# Altium PCB Prog.PcbDoc
Units mil, origin at the board's own origin, x right, y up, seen from the top; angles counter-clockwise.
Board outline 3897.64 x 3897.64 mil, 2 copper layers (Top Layer, Bottom Layer); 90 components, 64 nets, 289 pads, 267 vias.
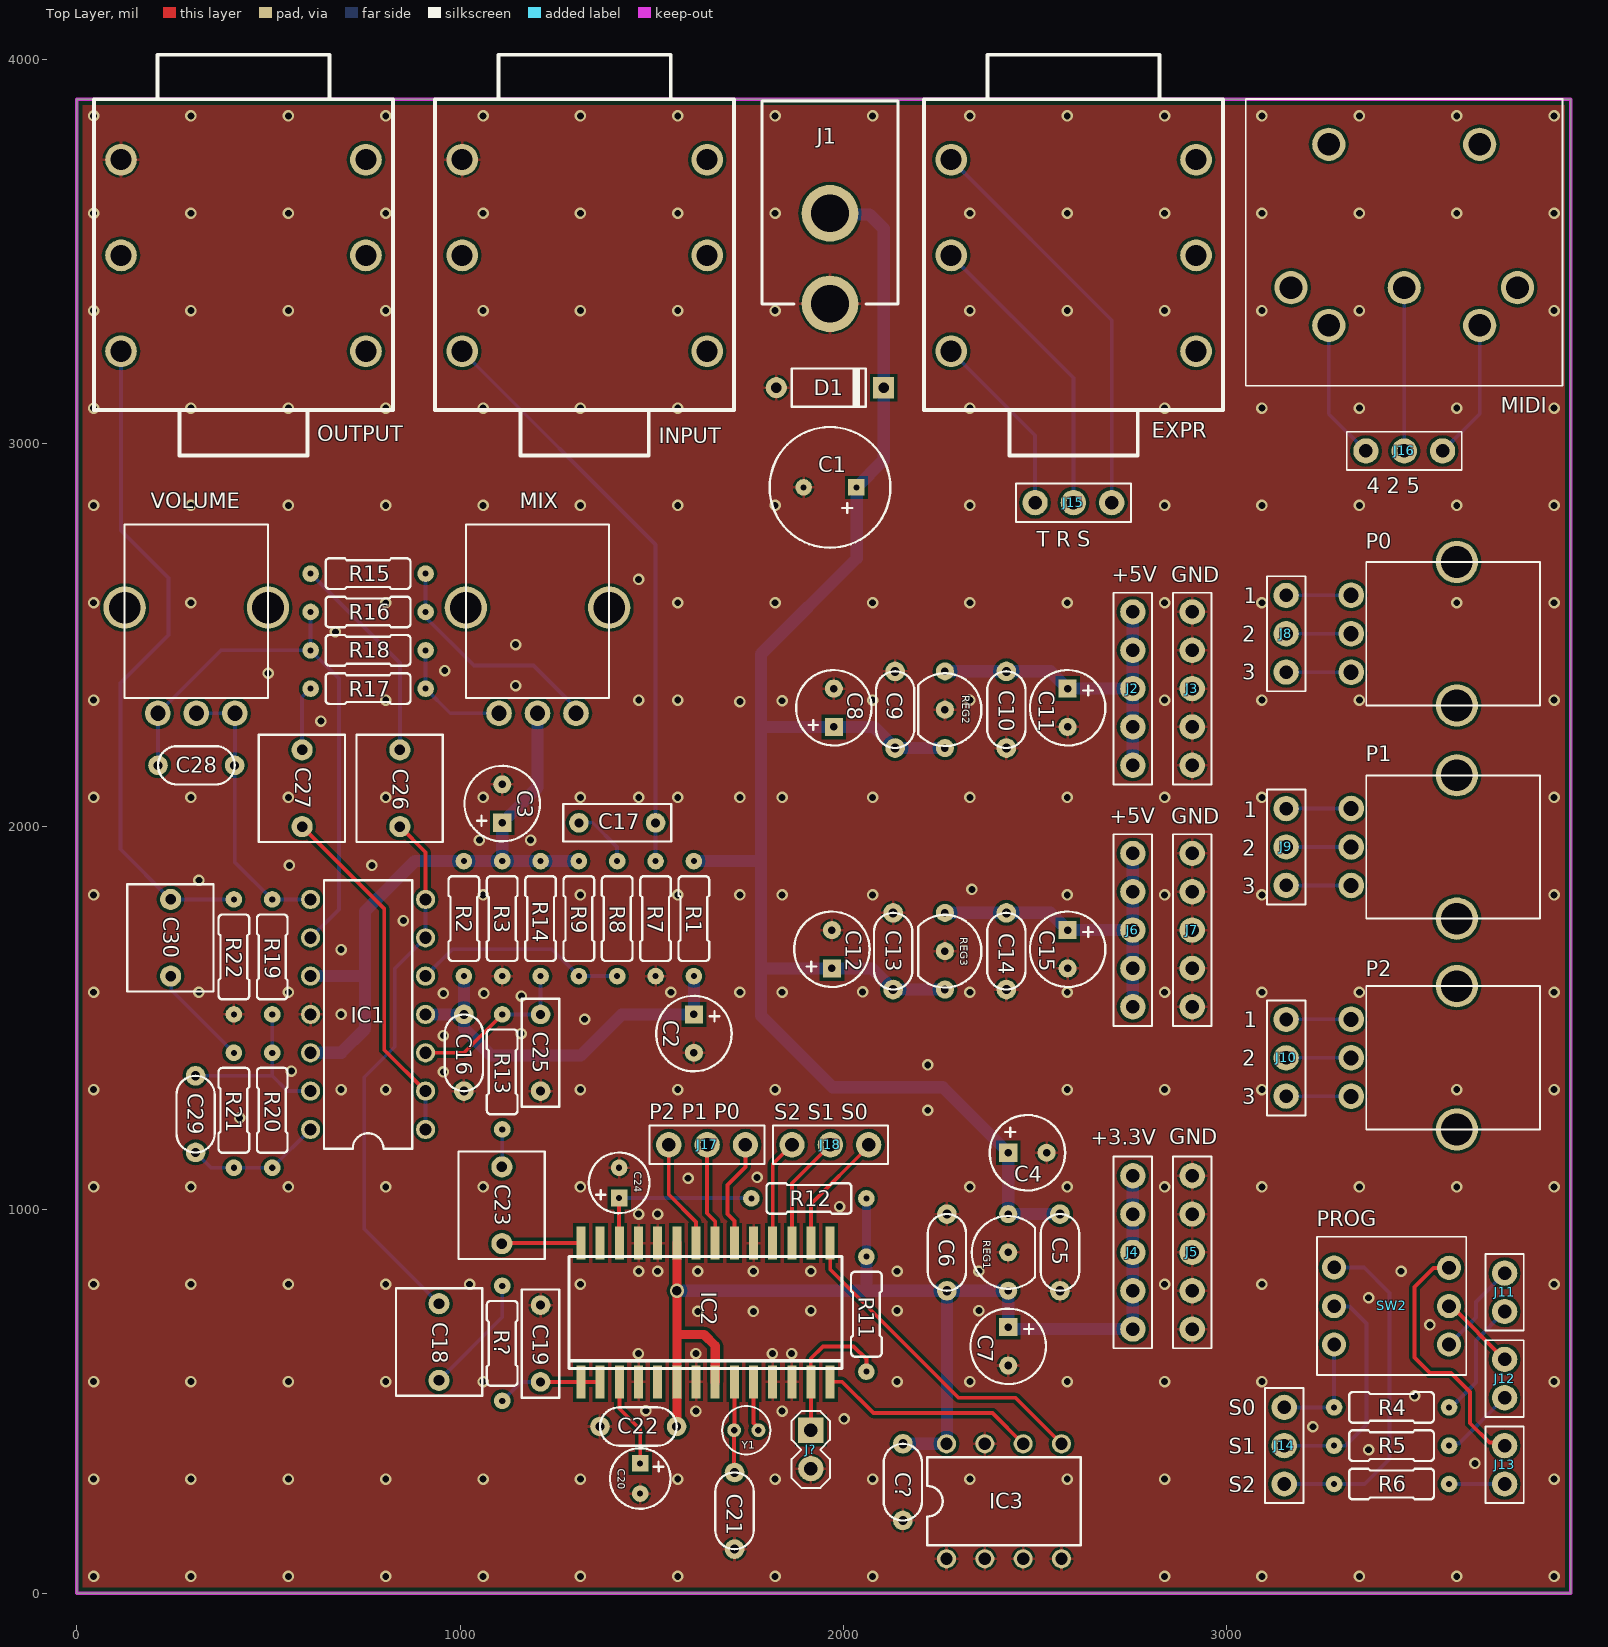
[diagram p0: Top Layer view]
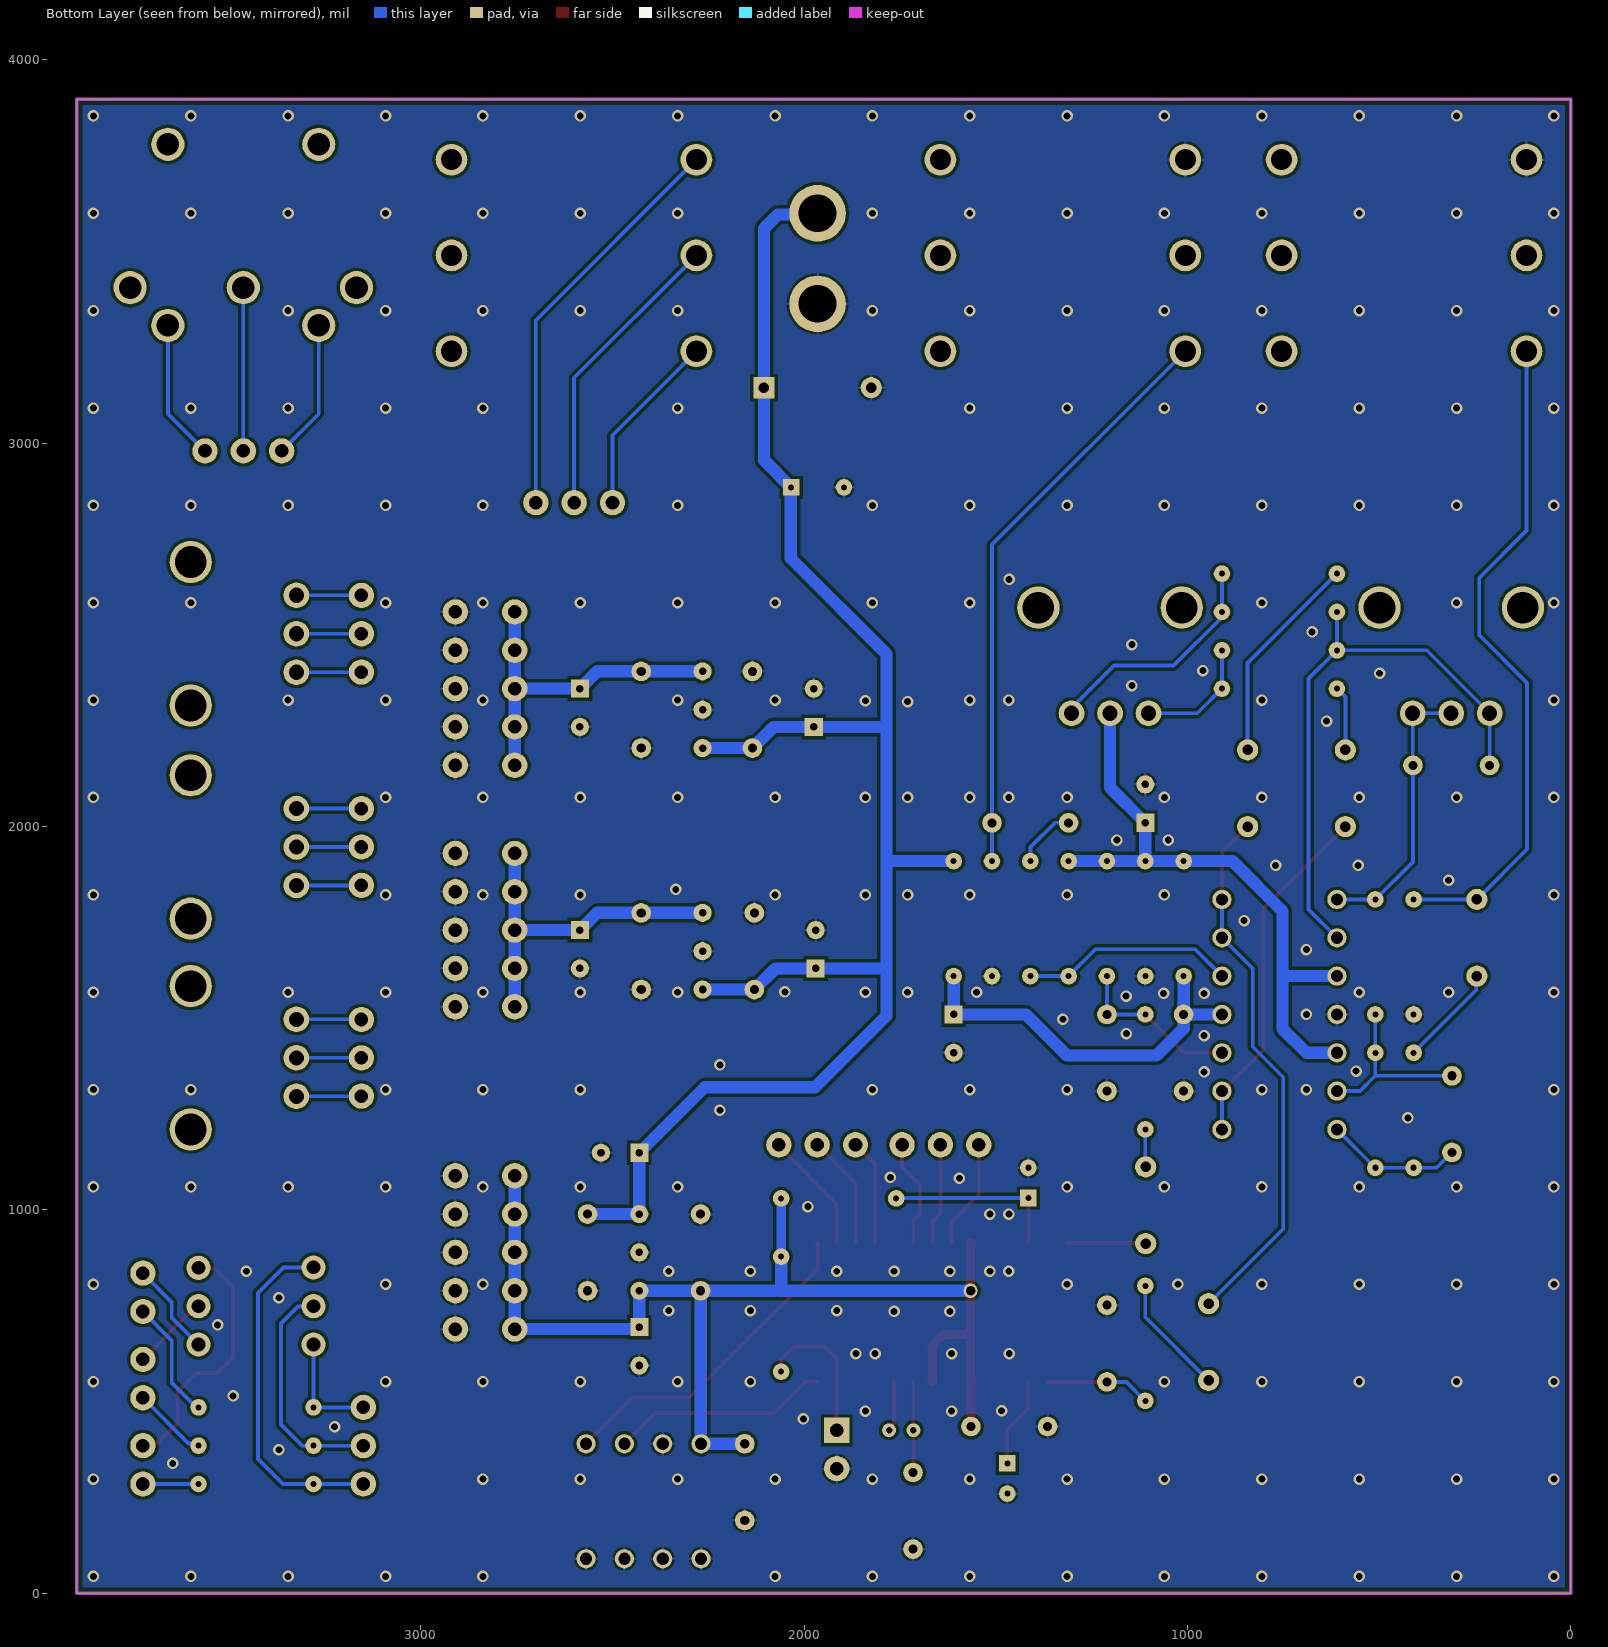
[diagram p1: Bottom Layer view, seen from below]
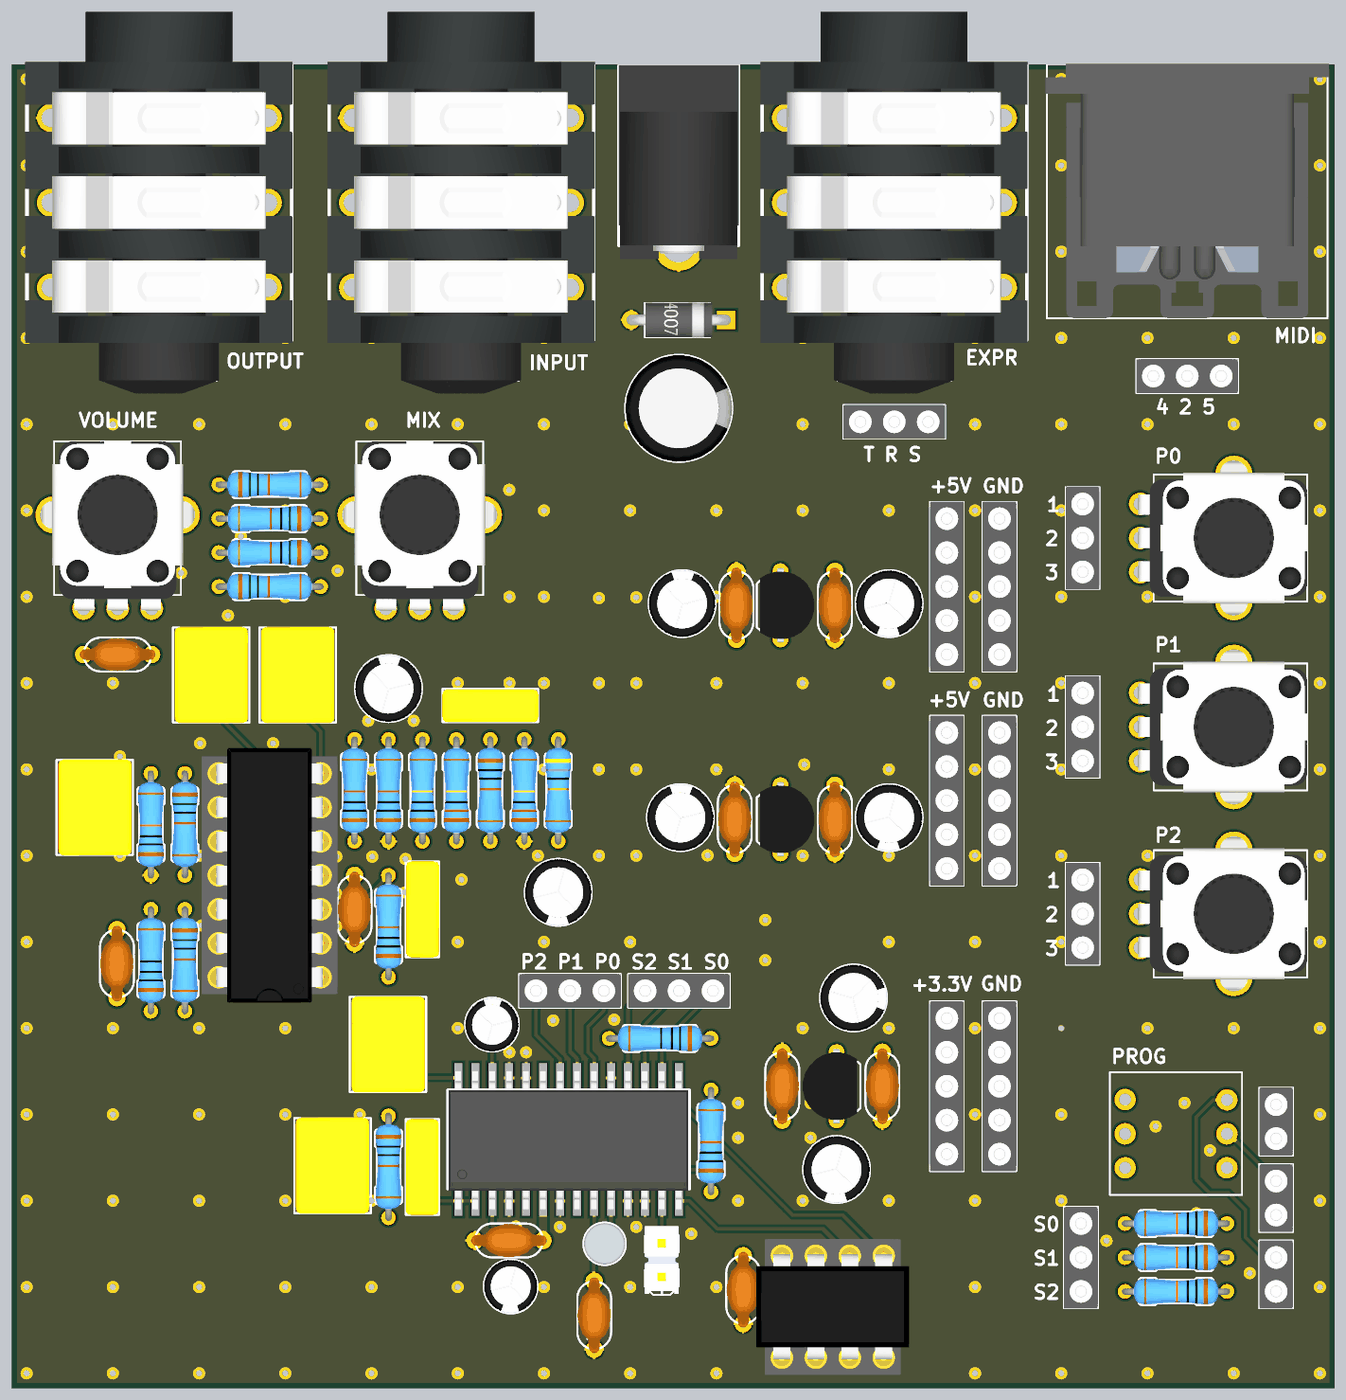
[diagram p2: 3D render of the assembled board from above, using the file's embedded part models]

## Layer stack, top to bottom
Top Solder: solder mask 0.4, Solder Resist, Dk 3.5
Top Layer: signal copper 1.4
Dielectric 1: dielectric 12.6, FR-4, Dk 4.8
Bottom Layer: signal copper 1.4
Bottom Solder: solder mask 0.4, Solder Resist, Dk 3.5

## Board outline
0,0 3897.64,0 3897.64,3897.64 0,3897.64

## Design rules (kind name [scope] priority, off if disabled: settings)
BoardOutlineClearance BottomOverlay [OnLayer('Bottom Overlay')] p1: gap=0 ignorepadtopadclearanceinfootprint=FALSE
BoardOutlineClearance TopOverlay [OnLayer('Top Overlay')] p2: gap=0 ignorepadtopadclearanceinfootprint=FALSE
BoardOutlineClearance [All] p3: gap=15 ignorepadtopadclearanceinfootprint=FALSE
Clearance [All] p1: gap=8 ignorepadtopadclearanceinfootprint=FALSE except(0: Arc-Text Arc-Hole Track-Text Track-Hole SMDPad-Text SMDPad-Hole THPad-Text THPad-Hole Via-Text Via-Hole Fill-Text Fill-Hole Poly-Text Poly-Hole Region-Text Region-Hole Text-Text Text-Hole)
ComponentClearance [All] p1 off: gap=1 collisioncheckmode=3 verticalgap=1 showdistances=FALSE
DiffPairsRouting [All] p1: maxlimit=393.7 minlimit=6 mostfreqgap=8 toplayer_minwidth=6 toplayer_maxwidth=15 toplayer_prefwidth=8 bottomlayer_minwidth=6 bottomlayer_maxwidth=15 bottomlayer_prefwidth=8 maxuncoupledlength=500
Height [All] p1 off: minheight=0 maxheight=1000 prefheight=500
HoleSize [All] p1: absolutevalues=TRUE maxlimit=265 minlimit=13 maxpercent=80.000 minpercent=20.000
HoleToHoleClearance [All] p1: gap=10 allowstackedmicrovias=FALSE
MinimumAnnularRing [All] p1: minimumring=6
MinimumSolderMaskSliver [All] p1: minsoldermaskwidth=0
PlaneClearance [All] p1: clearance=10
PlaneConnect [All] p1: planeconnectstyle=Direct reliefexpansion=16 reliefentries=4 reliefconductorwidth=6 reliefairgap=6
PolygonConnect Vias [All vs IsVia] p1: connectstyle=Direct reliefconductorwidth=10 reliefentries=4 polygonreliefangle="90 Angle" airgapwidth=10
PolygonConnect [All] p2: connectstyle=Relief reliefconductorwidth=8 reliefentries=4 polygonreliefangle="90 Angle" airgapwidth=6
RoutingCorners [All] p1: cornerstyle=45-Degree minsetback=49.21 maxsetback=49.21
RoutingVias [All] p1: holewidth=15 width=30 viastyle="Through Hole" minholewidth=13 minwidth=27 maxholewidth=100 maxwidth=114
SilkToSilkClearance [All] p1 off: silktosilkclearance=0
SilkToSolderMaskClearance [IsPad] p1 off: minsilkscreentomaskgap=6 clearancetoexposedcopper=TRUE
SolderMaskExpansion [All] p1: expansion=2.95
Width [All] p1: maxlimit=32 minlimit=10 preferedwidth=10
19 further rules are at their usual default settings.

## Components (designator, comment, footprint, x,y, rotation, side; value= is the part's Value field where it differs from the comment)
C1 "470u" ELEC_080_040 1965,2884.94 r180 top
C2 "100u" ELEC_050_020 1610,1460 r270 top
C3 "47u" ELEC_050_020 1110,2060 r90 top
C4 "10u" ELEC_050_020 2480,1149.15 r0 top
C5 "100n" CER_050 2565,889.15 r270 top
C6 "100n" CER_050 2270,889.15 r90 top
C7 "100u" ELEC_050_020 2430,644.15 r270 top
C8 "10u" ELEC_050_020 1975,2310 r90 top
C9 "100n" CER_050 2135,2305 r90 top
C10 "100n" CER_050 2425,2305 r270 top
C11 "100u" ELEC_050_020 2585,2310 r270 top
C12 "10u" ELEC_050_020 1970,1680 r90 top
C13 "100n" CER_050 2130,1675 r90 top
C14 "100n" CER_050 2425,1675 r270 top
C15 "100u" ELEC_050_020 2585,1680 r270 top
C16 "100n" CER_050 1010,1410 r270 top
C17 "100n" FILMBOX_SMALL 1410,2010 r180 top
C18 "1u" FILMBOX_BIG 948,655.42 r90 top
C19 "1n" FILMBOX_SMALL 1210,651.42 r90 top
C20 "1u" ELEC_040_020 1470,300 r270 top
C21 "15p" CER_050 1716,215 r270 top
C22 "100n" CER_050 1465,435 r180 top
C23 "1u" FILMBOX_BIG 1106,1012.23 r270 top
C24 "1u" ELEC_040_020 1415,1070 r90 top
C25 "2.2n" FILMBOX_SMALL 1210,1410 r270 top
C26 "1u" FILMBOX_BIG 840,2100 r270 top
C27 "1u" FILMBOX_BIG 585,2100 r270 top
C28 "220p" CER_050 312,2160 r180 top
C29 "470p" CER_050 310,1250 r90 top
C30 "1u" FILMBOX_BIG 242,1710 r270 top
C? "100n" CER_050 2155,290 r270 top
D1 "1N4002" DO41_2 1965,3145 r180 top
EXPR "J_STEREO" STEREO 2600.51,3490 r90 top
IC1 "TL074" DIL14 760,1510 r90 top
IC2 "IC_FV-1" SOIC28 1640,740 r0 top
IC3 "24LC32A" DIL8 2418.96,240 r0 top
INPUT "J_STEREO" STEREO 1325,3490 r90 top
J1 "J_DC_JACK" DC_JACK 1965,3783.15 r180 top
J2 "J_HEADER_5PINS_FEM" HEADER_5Pins_FEM 2755,2210 r90 top
J3 "J_HEADER_5PINS_FEM" HEADER_5Pins_FEM 2910,2210 r90 top
J4 "J_HEADER_5PINS_FEM" HEADER_5Pins_FEM 2755,1039.15 r270 top
J5 "J_HEADER_5PINS_FEM" HEADER_5Pins_FEM 2910,1039.15 r270 top
J6 "J_HEADER_5PINS_FEM" HEADER_5Pins_FEM 2755,1580 r90 top
J7 "J_HEADER_5PINS_FEM" HEADER_5Pins_FEM 2910,1580 r90 top
J8 "J_HEADER_3PINS_FEM" HEADER_3Pins_FEM 3155,2553.15 r270 top
J9 "J_HEADER_3PINS_FEM" HEADER_3Pins_FEM 3155,1996.85 r270 top
J10 "J_HEADER_3PINS_FEM" HEADER_3Pins_FEM 3155,1446.85 r270 top
J11 "J_HEADER_2PINS_FEM" HEADER_2Pins_FEM 3725,785 r90 top
J12 "J_HEADER_2PINS_FEM" HEADER_2Pins_FEM 3725,560 r90 top
J13 "J_HEADER_2PINS_FEM" HEADER_2Pins_FEM 3725,335 r90 top
J14 "J_HEADER_3PINS_FEM" HEADER_3Pins_FEM 3150,335 r90 top
J15 "J_HEADER_3PINS_FEM" HEADER_3Pins_FEM 2650,2845 r180 top
J16 "J_HEADER_3PINS_FEM" HEADER_3Pins_FEM 3513.15,2980 r180 top
J17 "J_HEADER_3PINS_FEM" HEADER_3Pins_FEM 1694.49,1170 r180 top
J18 "J_HEADER_3PINS_FEM" HEADER_3Pins_FEM 2016,1170 r180 top
J? "J_HEADER_2PINS" HEADER_2PINS 1915,375 r90 top
MIDI "J_DIN_5PINS" DIN_5PINS 3049.76,3898.11 r270 top
MIX "10kB" ALPHA_9MM_TRIM_TOP 1015,2335 r0 top
OUTPUT "J_STEREO" STEREO 435,3490 r90 top
P0 "50kB" ALPHA_9MM_TRIM_TOP 3364.09,2690.16 r270 top
P1 "50kB" ALPHA_9MM_TRIM_TOP 3364.09,2133.86 r270 top
P2 "50kB" ALPHA_9MM_TRIM_TOP 3364.09,1583.86 r270 top
R1 "47R" R_3_47R_025W 1610,1760 r270 top
R2 "10k" R_3_10k_025W 1010,1760 r90 top
R3 "10k" R_3_10k_025W 1110,1760 r90 top
R4 "100k" R_3_100k_025W 3430,485 r180 top
R5 "100k" R_3_100k_025W 3430,385 r180 top
R6 "100k" R_3_100k_025W 3430,285 r180 top
R7 "2.2M" R_3_2,2M_025W 1510,1760 r90 top
R8 "1k" R_3_1k_025W 1410,1760 r270 top
R9 "2.2M" R_3_2,2M_025W 1310,1760 r90 top
R11 "10k" R_3_10k_025W 2060,728 r90 top
R12 "100R" R_3_100R_025W 1910,1030 r180 top
R13 "1k" R_3_1k_025W 1110,1360 r90 top
R14 "1M" R_3_1M_025W 1210,1760 r90 top
R15 "15k" R_3_15k_025W 760,2660 r0 top
R16 "15k" R_3_15k_025W 760,2560 r180 top
R17 "15k" R_3_15k_025W 760,2360 r0 top
R18 "15k" R_3_15k_025W 760,2460 r180 top
R19 "15k" R_3_15k_025W 510,1660 r270 top
R20 "15k" R_3_15k_025W 510,1260 r270 top
R21 "100R" R_3_100R_025W 410,1260 r90 top
R22 "100k" R_3_100k_025W 410,1660 r90 top
R? "1k" R_3_1k_025W 1110,652 r270 top
REG1 "L78L33" TO92 2430,889.15 r90 top
REG2 "LM78L05" TO92 2265,2305 r270 top
REG3 "LM78L05" TO92 2265,1675 r270 top
SW2 "DIP" DIP_3WAY 3430,699 r90 top
VOLUME "100kB" ALPHA_9MM_TRIM_TOP 125,2335 r0 top
Y1 "32768" CYL 1746.65,425.31 r0 top

## Footprints (in the part's own frame and the unit in brackets; to place one, negate y for a bottom-side part, rotate by r counter-clockwise, add the part's x,y. Pads: shape width x height; smd on the part's side, far side on the other; paste and mask are expansions set on the pad)
ALPHA_9MM_TRIM_TOP [mm]
  round 1.7 hole 1: 1(2.199,-1) 2(4.75,-1) 3(7.301,-1)
  round 2.8 hole 2.1: ""(0,6) ""(9.5,6)
  silkscreen extent 0,0 9.5,11.5, body extent -0.94,-1.15 10.44,11.5, height 29.4
CER_050 [mil]
  round 51.18 hole 23.62: 1(-100,0) 2(100,0)
  silkscreen extent -100,-50 100,50, body extent -117,-49 110,66, height 196
CYL [mm]
  round 0.92 hole 0.432: 1(-0.804,0) 2(0.804,0)
  silkscreen extent -1.6,-1.6 1.6,1.6, body extent -1.55,-1.55 1.55,1.55, height 8.25
DC_JACK [mil]
  round 147.65 hole 98.43: GND(0,183.15) PWR(0,419.37)
  silkscreen extent -177,-110 177,419, body extent -350,-112 177,458, height 433
DIL8 [mil]
  round 50 hole 32: 1(-150,-150) 2(-50,-150) 3(50,-150) 4(150,-150) 5(150,150) 6(50,150) 7(-50,150) 8(-150,150)
  silkscreen extent -200,-115 200,115, body extent -225,-200 225,200, height 335
DIL14 [mil]
  round 50 hole 32: 1(-300,-150) 2(-200,-150) 3(-100,-150) 4(0,-150) 5(100,-150) 6(200,-150) 7(300,-150) 8(300,150) 9(200,150) 10(100,150) 11(0,150) 12(-100,150) 13(-200,150) 14(-300,150)
  silkscreen extent -350,-115 350,115, body extent -375,-200 375,200, height 319
DIN_5PINS [mm]
  round 2.2 hole 1.5: 1(12.5,3) 2(12.5,10.5) 3(12.5,18) 4(15,5.5) 5(15,15.5) ""(3,15.5) ""(3,5.5)
  silkscreen extent 0,0 19,21, body extent -0.01,-0.1 19,21.1, height 19.67
DIP_3WAY [mil]
  round 62.99 hole 35.43: A1(-50,150) A2(-50,-150) B1(50,150) B2(50,-150) C1(151,150) C2(150,-150)
  silkscreen extent -130,-195 231,195
DO41_2 [mil]
  round 55.12 hole 27.56: A(140,0)
  rect 55.12x55.12 hole 27.56: C(-140,0)
  silkscreen extent -94,-50 100,50, body extent -154,-52 154,52, height 112
ELEC_040_020 [mil]
  rect 43.31x43.31 hole 15.75: +(-38.8,0)
  round 43.31 hole 15.75: -(40,0)
  silkscreen extent -78,-79 80,79, body extent -79,-79 79,79, height 277
ELEC_050_020 [mil]
  rect 47.24x47.24 hole 19.69: +(-50,0)
  round 47.24 hole 19.69: -(50,0)
  silkscreen extent -98,-98 98,98, body extent -98,-98 98,98, height 277
ELEC_080_040 [mm]
  rect 1.1x1.1 hole 0.4: +(-1.75,0)
  round 1.1 hole 0.4: -(1.75,0)
  silkscreen extent -4,-4 4,4, body extent -4,-4 4,4, height 11.5
FILMBOX_BIG [mil]
  round 55.12 hole 27.56: 1(-100,3) 2(100,3)
  silkscreen extent -140,-110 140,115, body extent -142,-105 142,111, height 453
FILMBOX_SMALL [mil]
  round 51.18 hole 23.62: 1(-100,0) 2(100,0)
  silkscreen extent -141,-49 141,49, body extent -142,-48 142,50, height 256
HEADER_2PINS [mil]
  rect 66x66 hole 35.43: 1(50,0)
  round 66 hole 35.43: 2(-50,0)
  silkscreen extent -100,-50 100,50, body extent -102,-50 102,50, height 330
HEADER_2Pins_FEM [mil]
  round 66 hole 35.43: 1(50,0) 2(-50,0)
  silkscreen extent -100,-50 100,50, body extent -100,-50 100,50, height 237
HEADER_3Pins_FEM [mil]
  round 66 hole 35.43: 1(-50,0) 2(50,0) 3(150,0)
  silkscreen extent -100,-50 200,50, body extent -100,-50 200,50, height 237
HEADER_5Pins_FEM [mil]
  round 66 hole 35.43: 1(-50,0) 2(50,0) 3(150,0) 4(250,0) 5(350,0)
  silkscreen extent -100,-50 400,50, body extent -100,-50 400,50, height 237
R_3_1k_025W [mil]
  round 43.31 hole 15.75: 1(-150,0) 2(150,0)
  silkscreen extent -111,-40 111,40, body extent -160,-38 160,38, height 83
R_3_1M_025W [mil]
  round 43.31 hole 15.75: 1(-150,0) 2(150,0)
  silkscreen extent -111,-40 111,40, body extent -160,-38 160,38, height 83
R_3_2,2M_025W [mil]
  round 43.31 hole 15.75: 1(-150,0) 2(150,0)
  silkscreen extent -111,-40 111,40, body extent -160,-38 160,38, height 83
R_3_10k_025W [mil]
  round 43.31 hole 15.75: 1(-150,0) 2(150,0)
  silkscreen extent -111,-40 111,40, body extent -160,-38 160,38, height 83
R_3_15k_025W [mil]
  round 43.31 hole 15.75: 1(-150,0) 2(150,0)
  silkscreen extent -111,-40 111,40, body extent -160,-38 160,38, height 83
R_3_47R_025W [mil]
  round 43.31 hole 15.75: 1(-150,0) 2(150,0)
  silkscreen extent -111,-40 111,40, body extent -160,-38 160,38, height 83
R_3_100k_025W [mil]
  round 43.31 hole 15.75: 1(-150,0) 2(150,0)
  silkscreen extent -111,-40 111,40, body extent -160,-38 160,38, height 83
R_3_100R_025W [mil]
  round 43.31 hole 15.75: 1(-150,0) 2(150,0)
  silkscreen extent -111,-40 111,40, body extent -160,-38 160,38, height 83
SOIC28 [mm]
  rect 0.6x2.2 smd: 1(-8.24,-4.79) 2(-6.97,-4.79) 3(-5.7,-4.79) 4(-4.43,-4.79) 5(-3.16,-4.79) 6(-1.89,-4.79) 7(-0.62,-4.79) 8(0.65,-4.79) 9(1.92,-4.79) 10(3.19,-4.79) 11(4.46,-4.79) 12(5.73,-4.79) 13(7,-4.79) 14(8.27,-4.79) 15(8.27,4.41) 16(7,4.41) 17(5.73,4.41) 18(4.46,4.41) 19(3.19,4.41) 20(1.92,4.41) 21(0.65,4.41) 22(-0.62,4.41) 23(-1.89,4.41) 24(-3.16,4.41) 25(-4.43,4.41) 26(-5.7,4.41) 27(-6.97,4.41) 28(-8.24,4.41)
  silkscreen extent -9.04,-3.89 9.07,3.51, body extent -8.95,-5.4 8.95,4.9, height 2.65
STEREO [mil]
  round 82.68 hole 55.12: R(0,319.49) RN(0,-319.49) S(250,319.49) SN(250,-319.49) T(-250,319.49) TN(-250,-319.49)
  silkscreen extent -522,-390 524,390, body extent -562,-392 562,395, height 610
TO92 [mil]
  round 47.24 hole 19.69: 1(100,0) 2(0,0) 3(-100,0)
  silkscreen extent -95,-70 95,95, body extent -109,-61 109,100, height 255

## Part data
C1: library part C_ELEC_470u_16V, "470u 16V electrolytic capacitor", Package=Radial, Dimensions=8x12mm, PinSpacing=4mm, Price=0.02
C2 C7 C11 C15: library part C_ELEC_100u_16V, "100u 16V electrolytic capacitor", Package=Radial, Dimensions=5x8mm, PinSpacing=2mm, Price=0.02
C3: library part C_ELEC_47u_25V, "47u 25V electrolytic capacitor", Package=Radial, Dimensions=5x8mm, PinSpacing=2mm, Price=0.02
C4 C8 C12: library part C_ELEC_10u_50V, "10u 50V electrolytic capacitor", Package=Radial, Dimensions=4x8mm, PinSpacing=2mm, Price=0.02
C5 C6 C9 C10 C13 C14 C16 C22 C?: library part C_CER_100n, "100n MLCC X7R radial capacitor", Package=Radial, PinSpacing=5.08mm, Price=0.02
C17: library part C_FILMBOX_100n, "100n 100V polyester film box capacitor", Package=Radial, Dimensions=7.2x2.5x6.5mm, PinSpacing=5.08mm, Price=0.05
C18 C23 C26 C27 C30: library part C_FILMBOX_1u, "1u 100V polyester film box capacitor", Package=Radial, Dimensions=7.2x6x11mm, PinSpacing=5.08mm, Price=0.1
C19: library part C_FILMBOX_1n, "1n 100V polyester film box capacitor", Package=Radial, Dimensions=7.2x2.5x6.5mm, PinSpacing=5.08mm, Price=0.05
C20 C24: library part C_ELEC_1u_50V, "1u 50V electrolytic capacitor", Package=Radial, Dimensions=4x8mm, PinSpacing=2mm, Price=0.02
C21: library part C_CER_15p, "15p MLCC X7R radial capacitor", Package=Radial, PinSpacing=5.08mm, Price=0.01
C25: library part C_FILMBOX_2.2n, "2.2n 100V polyester film box capacitor", Package=Radial, Dimensions=7.2x2.5x6.5mm, PinSpacing=5.08mm, Price=0.05
C28: library part C_CER_220p, "220p MLCC X7R radial capacitor", Package=Radial, PinSpacing=5.08mm, Price=0.01
C29: library part C_CER_470p, "470p MLCC X7R radial capacitor", Package=Radial, PinSpacing=5.08mm, Price=0.01
D1: library part D_1N4002, Package=DO-41, PinSpacing=7.62mm, Price=0.01
EXPR INPUT OUTPUT: "6.35mm stereo insulated socket jack PCB mounted", Price=0.5
IC1: library part IC_TL074, Package=DIP-24, Price=0.15
IC2: "Spinsemi FV-1", Package=SOIC-28, Price=8
IC3: library part IC_24LC32A, "32Kbit Serial IC I2C Serial EEPROM", Package=DIP-8, Price=0.5
J1: "DC Power jack 2.1mm barrel", Price=0.05
J2 J3 J4 J5 J6 J7: "5 Pins female header", Pin spacing=2.54mm, Price=0.01
J8 J9 J10 J14 J15 J16 J17 J18: "3 Pins female header", Pin spacing=2.54mm, Price=0.01
J11 J12 J13: "2 Pins female header", Pin spacing=2.54mm, Price=0.01
J?: "2 Pins male header", Pin spacing=2.54mm, Price=0.01
MIDI: "5 Pins DIN female connector", Pin spacing=2.54mm, Price=0.01
MIX: library part POT_10kB_ALPHA_9mm_TRIM, "10k Lin potentiometer trimmer", Package="PCB Mounted", Dimensions=9mm, Price=1.3
P0 P1 P2: library part POT_50kB_ALPHA_9mm_TRIM, "50k Lin potentiometer trimmer", Package="PCB Mounted", Dimensions=9mm, Price=1.3
R1: library part R_3_47R_025W, "47R metal film 1/4W Resistor", PinSpacing=7.62mm, Price=0.01
R2 R3 R11: library part R_3_10k_025W, "10k metal film 1/4W Resistor", PinSpacing=7.62mm, Price=0.01
R4 R5 R6 R22: library part R_3_100k_025W, "100k metal film 1/4W Resistor", PinSpacing=7.62mm, Price=0.01
R7 R9: library part R_3_2.2M_025W, "2.2M metal film 1/4W Resistor", PinSpacing=7.62mm, Price=0.01
R8 R13 R?: library part R_3_1k_025W, "1k metal film 1/4W Resistor", PinSpacing=7.62mm, Price=0.01
R12 R21: library part R_3_100R_025W, "100R metal film 1/4W Resistor", PinSpacing=7.62mm, Price=0.01
R14: library part R_3_1M_025W, "1M metal film 1/4W Resistor", PinSpacing=7.62mm, Price=0.01
R15 R16 R17 R18 R19 R20: library part R_3_15k_025W, "15k metal film 1/4W Resistor", PinSpacing=7.62mm, Price=0.01
REG1: library part REG_L78L33, Package=TO-92, Price=0.90
REG2 REG3: library part REG_LM78L05, "78L05", Package=TO-92, Price=0.01
SW2: library part SW_DIP_3WAY, "DIP Switch 3 way", Price=0.1
VOLUME: library part POT_100kB_ALPHA_9mm_TRIM, "100k Lin potentiometer trimmer", Package="PCB Mounted", Dimensions=9mm, Price=1.3
Y1: library part Y_32768k, "32768k Crystal", Package="Cylindrical Can Radial  ECS International", Availability=Unavailable, MF="ECS Inc.", MP=ECS-40-18-10X, Price=None, SnapEDA_Link=https://www.snapeda.com/parts/ECS-40-18-10X/ECS%20Inc./view-part/?ref=snap

## Via types
v1: diameter 30, hole 18, Top Layer to Bottom Layer, 265 vias
v2: diameter 30, hole 18, Top Layer to Bottom Layer, tented both sides, 1 vias
v3: diameter 37, hole 25, Top Layer to Bottom Layer, 1 vias

## Nets (pads, with @x,y where several pads share a name; then routed paths per layer and width w, separated by ;. In a path a pad name is that pad's centre, name@x,y a point inside that pad or via, vN(x,y) a via of type N, cw(c..) or ccw(c..) an arc to the next point about the centre after c; other vN are vias at no path point)
3.3V: C6.1 C7.+ C22.1 C?.1 IC2.6 IC2.8 IC2.23 IC3.8 J4.1 J4.2 J4.3 J4.4 J4.5 R11.2 R12.1 REG1.3 | length 3124.4
  Top Layer w24: C22.1@1565.59,435.59 IC2.6 1565.78,551.61 IC2.6@1565.78,589.75 ; IC2.23 1565.8,913.41 v3(1565.8,789.15) 1565.8,675 ; IC2.6@1565.8,589.78 1565.8,675 ; IC2.8 1665.59,645.72 1636.31,675 1565.8,675
  Top Layer w32: C22.1 C22.1@1565.59,435.59
  Bottom Layer w24: R11.2 R12.1
  Bottom Layer w32: v3(1565.8,789.15) 2060,789.15 ; R11.2 2060,789.15 ; C?.1 IC3.8 ; IC3.8@2270,391.04 C6.1 ; J4.1 J4.2 J4.3 J4.4 J4.5 2435,689.15 C7.+ REG1.3 C6.1 ; 2060,789.15 C6.1
5VA: C14.1 C15.+ J6.1 J6.2 J6.3 J6.4 J6.5 REG3.3 | length 908.6
  Bottom Layer w32: REG3.3 C14.1 2540,1775 C15.+ J6.3 ; J6.1 J6.2 J6.3 ; J6.5 J6.4 J6.3
5VD: C10.1 C11.+ J2.1 J2.2 J2.3 J2.4 J2.5 REG2.3 | length 908.6
  Bottom Layer w32: REG2.3 C10.1 2540,2405 C11.+ J2.3 ; J2.1 J2.2 J2.3 ; J2.5 J2.4 J2.3
+9V: C1.+ C4.+ C5.1 C8.+ C9.1 C12.+ C13.1 D1.C J1.GND R1.1 REG1.1 REG2.1 REG3.1 | length 4614
  Bottom Layer w32: R1.1 1780,1910 1785,1905 ; J1.GND 1968.08,3596.92 2068.08,3596.92 2105,3560 D1.C 2105,2956.05 C1.+ 2035,2883.84 2035,2700 1785,2450 1785,2260 ; REG3.1 C13.1 2075,1630 C12.+ 1785,1630 ; REG2.1 C9.1 2080,2260 C8.+ 1785,2260 ; C5.1 REG1.1 C4.+ 2259.15,1320 1971.76,1320 1785,1506.76 1785,1630 ; 1785,1630 1785,1905 ; 1785,1905 1785,2260
GND: C1.- C2.- C3.- C4.- C5.2 C6.2 C7.- C8.- C9.2 C10.2 C11.- C12.- C13.2 C14.2 C15.- C16.2 C19.2 C20.- C21.2 C22.2 C24.- C25.2 C?.2 D1.A IC1.11 IC2.4 IC2.7 IC2.11 IC2.12 IC2.19 IC2.24 IC2.25 IC3.1 IC3.2 IC3.3 IC3.4 IC3.7 INPUT.S J1.PWR J3.1 J3.2 J3.3 J3.4 J3.5 J5.1 J5.2 J5.3 J5.4 J5.5 J7.1 J7.2 J7.3 J7.4 J7.5 J?.2 OUTPUT.S R3.1 R7.1 R22.1 REG1.2 REG2.2 REG3.2
  other v1: 44,44 298,44 552,44 806,44 1060,44 1314,44 1568,44 1822,44 2076,44 2838,44 3092,44 3346,44 3600,44 3854,44 44,298 298,298 552,298 806,298 1060,298 1314,298 1568,298 1822,298 2076,298 2330,298 2584,298 2838,298 3854,298 3647.25,338.8 3370,374.37 3225,434.27 2001.81,455 1615.25,475 1840,475 1485,476.1 3490,515 44,552 298,552 552,552 806,552 1060,552 2140,552.1 2330,552 2584,552 2838,552 3092,552 3854,552 1465,625 1615.25,625 1815,625 1865,625 3530,700 1620,735.49 1765.17,735.49 1915,737.49 2140,737.49 2353.32,737.49 3370,770.81 44,806 298,806 552,806 806,806 1024.96,806 1314,806 2838,806 3092,806 3854,806 1466.25,840 1515.25,840 1620,840 1765.17,840 1915,840 2140,840 2353.32,840 3455,840 1466,989.15 1515.25,989.15 1990,1008.85 44,1060 298,1060 552,1060 806,1060 1060,1060 1314,1060 2330,1060 2584,1060 2838,1060 3346,1060 3600,1060 3854,1060 1595,1082.63 1775,1085 425,1239.91 2220,1260 44,1314 689.72,1314 806,1314 1314,1314 1568,1314 1822,1314 2584,1314 2838,1314 3092,1314 3600,1314 3854,1314 956.4,1360 560,1362.37 2220,1378.53 956.4,1454.97 1159.42,1460 1325,1497.39 689.72,1510 1160,1558.06 956.4,1565 1062.19,1565 44,1568 318.77,1568 552,1568 1550,1568 1730,1568 1840,1568 2330,1568 2584,1568 2838,1568 3092,1568 3346,1568 3854,1568 2050,1568.81 689.72,1679.25 852.28,1755 44,1822 1060,1822 1314,1822 1568,1822 1730,1822 1840,1822 2076,1822 2584,1822 2838,1822 3092,1822 3854,1822 2335,1836.15 318.77,1860 555,1898.63 770,1898.63 1050.24,1965 1184.1,1965 44,2076 298,2076 552,2076 806,2076 1060,2076 1314,2076 1466.25,2076 1568,2076 1730,2076 1840,2076 2076,2076 2330,2076 2584,2076 2838,2076 3092,2076 3854,2076 637.08,2275 1730,2326.13 1840,2328.38 44,2330 806,2330 1466.25,2330 1568,2330 2076,2330 2330,2330 2838,2330 3092,2330 3346,2330 3854,2330 1145,2367.73 499.02,2400 960,2406.75 1145,2475 675,2507.8 44,2584 298,2584 806,2584 1568,2584 1822,2584 2076,2584 2330,2584 2584,2584 2838,2584 3092,2584 3600,2584 3854,2584 1465.59,2645.04 44,2838 298,2838 552,2838 806,2838 1060,2838 1314,2838 1568,2838 1822,2838 2330,2838 2838,2838 3092,2838 3346,2838 3600,2838 3854,2838 44,3092 298,3092 552,3092 806,3092 1060,3092 1314,3092 1568,3092 2330,3092 2838,3092 3092,3092 3346,3092 3600,3092 3854,3092 44,3346 298,3346 552,3346 806,3346 1060,3346 1314,3346 1568,3346 1822,3346 2330,3346 2584,3346 2838,3346 3092,3346 3346,3346 3854,3346 44,3600 298,3600 552,3600 806,3600 1060,3600 1314,3600 1568,3600 1822,3600 2330,3600 2584,3600 2838,3600 3092,3600 3346,3600 3600,3600 3854,3600 44,3854 298,3854 552,3854 806,3854 1060,3854 1314,3854 1568,3854 1822,3854 2076,3854 2330,3854 2584,3854 2838,3854 3092,3854 3346,3854 3600,3854 3854,3854
  other v2: 3092,1060
INPUT: C17.1 INPUT.T R7.2 | length 1539
  Bottom Layer w10: INPUT.T 1510,2735.51 C17.1 R7.2
NetC17_2: C17.2 R8.1 | length 162.5
  Bottom Layer w10: C17.2 1346,2010 1409.11,1946.89 1409.11,1910.89 R8.1
NetC18_1: C18.1 R?.1 | length 314.9
  Bottom Layer w10: C18.1 1110,720.42 R?.1
NetC18_2: C18.2 C26.2 IC1.6 IC1.7 | length 1419.4
  Top Layer w10: C26.2 910,1933 IC1.7
  Bottom Layer w10: IC1.7 IC1.6 829.75,1629.75 829.75,1425.75 750,1346 750,950.42 C18.2
NetC19_1: C19.1 IC2.1 IC2.2 R?.2 | length 277
  Top Layer w10: C19.1 IC2.1 IC2.2
  Bottom Layer w10: R?.2 1159.42,551.42 C19.1 C19.1@1209.32,552.1
NetC20_+: C20.+ IC2.3 | length 235.2
  Top Layer w10: IC2.3 1415.59,481.16 1470,426.75 C20.+
NetC21_1: C21.1 IC2.9 Y1.1 | length 237.1
  Top Layer w10: IC2.9 1715.59,425.9 Y1.1 1715,316 C21.1
NetC23_1: C23.1 R13.1 | length 98.2
  Bottom Layer w10: C23.1 1110,1113.23 R13.1
NetC23_2: C23.2 IC2.28 | length 207.2
  Top Layer w10: C23.2 1110.39,913.62 IC2.28
NetC24_+: C24.+ IC2.26 R12.2 | length 463.3
  Top Layer w10: C24.+ 1415,914.21 IC2.26
  Bottom Layer w10: C24.+ 1758.8,1031.2 R12.2
NetC25_1: C25.1 IC1.3 R13.2 R14.1 | length 441.4
  Top Layer w10: IC1.3 1010,1410 R13.2
  Bottom Layer w10: R13.2 C25.1 R14.1
NetC26_1: C26.1 R15.1 | length 556.5
  Bottom Layer w10: R15.1 843,2427 C26.1
NetC27_1: C27.1 R17.1 | length 169.1
  Bottom Layer w10: C27.1 588,2338 R17.1
NetC27_2: C27.2 IC1.1 IC1.2 | length 923.4
  Top Layer w10: C27.2 802,1786 802,1418 IC1.2
  Bottom Layer w10: IC1.1 IC1.2
NetC28_1: C28.1 IC1.8 R19.1 VOLUME.2 VOLUME.3 | length 727.4
  Bottom Layer w10: VOLUME.2 VOLUME.3 412.43,2160.43 C28.1 412,1908 R19.1 IC1.8 ; C28.1@410,2160 C28.1@410.43,2160.43
NetC28_2: C28.2 IC1.9 R16.2 R18.2 VOLUME.1 | length 1513.6
  Bottom Layer w10: C28.2 211.58,2160.42 VOLUME.1 375.95,2460 R18.2 ; IC1.9 684,1784 684,2386 R18.2 ; R16.2 R18.2
NetC29_1: C29.1 IC1.14 R20.2 R21.1 | length 358
  Bottom Layer w10: C29.1 350,1110 R21.1 R20.2 IC1.14
NetC29_2: C29.2 IC1.13 R19.2 R20.1 | length 476.6
  Bottom Layer w10: C29.2 510,1350 ; R19.2 R20.1 510,1350 ; IC1.13 550,1310 510,1350
NetC30_2: C30.2 R21.2 | length 268.3
  Bottom Layer w10: C30.2 246.7,1608.3 246.7,1573.3 R21.2
NetEXPR_R: EXPR.R J15.2 | length 777.1
  Bottom Layer w10: EXPR.R 2600,3171.02 J15.2
NetEXPR_S: EXPR.S J15.1 | length 1068.5
  Bottom Layer w10: EXPR.S 2700,3321.02 J15.1
NetEXPR_T: EXPR.T J15.3 | length 485.7
  Bottom Layer w10: EXPR.T 2500,3021.02 J15.3
NetIC1_5: IC1.5 R8.2 R9.1 | length 558
  Bottom Layer w10: IC1.5 980,1680 1240,1680 R9.1 R8.2
NetIC2_10: IC2.10 Y1.2 | length 131.4
  Top Layer w10: IC2.10 1765.59,444.28 1778.31,431.56 Y1.2
NetIC2_13: IC2.13 J?.1 R11.1 | length 392.4
  Top Layer w10: J?.1 1915.59,425.59 IC2.13 ; IC2.13@1915,551.42 1915,612.55 1946.51,644.07 2026.64,644.07 2060,610.7 R11.1
NetIC2_14: IC2.14 IC3.6 | length 570.5
  Top Layer w10: IC2.14 1965.92,551.75 1996.41,551.75 2078.17,470 2388.96,470 IC3.6
NetIC2_15: IC2.15 IC3.5 | length 860.5
  Top Layer w10: IC2.15 1965.59,845 2300.59,510 2448.96,510 IC3.5
NetIC2_16: IC2.16 J18.1 | length 318.7
  Top Layer w10: IC2.16 1915.59,1015.59 2066,1166 J18.1
NetIC2_17: IC2.17 J18.2 | length 298
  Top Layer w10: IC2.17 1865.59,1069.59 J18.2
NetIC2_18: IC2.18 J18.3 | length 277.3
  Top Layer w10: IC2.18 1815.59,1119.59 J18.3
NetIC2_20: IC2.20 J17.1 | length 283.4
  Top Layer w10: IC2.20 1715.59,971.33 1697.47,989.45 1697.47,1065.21 1744.49,1112.23 J17.1
NetIC2_21: IC2.21 J17.2 | length 265.1
  Top Layer w10: J17.2 1644.49,991.29 1665.59,970.19 IC2.21
NetIC2_22: IC2.22 J17.3 | length 285.8
  Top Layer w10: J17.3 1544.49,1039.99 1615.59,968.89 IC2.22
NetJ8_1: J8.1 P0.1 | length 169.9
  Bottom Layer w10: J8.1 3155.43,2603.57 P0.1
NetJ8_2: J8.2 P0.2 | length 169.7
  Bottom Layer w10: J8.2 P0.2
NetJ8_3: J8.3 P0.3 | length 169.9
  Bottom Layer w10: J8.3 3155.43,2402.72 P0.3
NetJ9_1: J9.1 P1.1 | length 169.9
  Bottom Layer w10: J9.1 3155.43,2047.28 P1.1
NetJ9_2: J9.2 P1.2 | length 169.7
  Bottom Layer w10: J9.2 P1.2
NetJ9_3: J9.3 P1.3 | length 169.9
  Bottom Layer w10: J9.3 3155.43,1846.43 P1.3
NetJ10_1: J10.1 P2.1 | length 169.9
  Bottom Layer w10: J10.1 3155.43,1497.28 P2.1
NetJ10_2: J10.2 P2.2 | length 169.7
  Bottom Layer w10: J10.2 P2.2
NetJ10_3: J10.3 P2.3 | length 169.9
  Bottom Layer w10: J10.3 3155.43,1296.43 P2.3
NetJ11_1: J11.1 SW2.A2 | length 246.1
  Bottom Layer w10: SW2.A2 3650,719 3650,760 J11.1
NetJ11_2: J11.2 R4.1 | length 313
  Bottom Layer w10: R4.1 3585,485 3650,550 3650,659.68 3725,734.68 J11.2
NetJ12_1: J12.1 SW2.B2 | length 202.6
  Top Layer w10: SW2.B2 3586,749 J12.1
NetJ12_2: J12.2 R5.1 | length 196.8
  Bottom Layer w10: R5.1 3585.92,390.92 3605.92,390.92 J12.2
NetJ13_1: J13.1 SW2.C2 | length 672.5
  Top Layer w10: SW2.C2 3579.2,848.2 3539.36,848.2 3490,798.84 3490,615 3530,575 3585,575 3635,525 3635,443.65 3685.38,393.26 3716.74,393.26 J13.1
NetJ13_2: J13.2 R6.1 | length 145
  Bottom Layer w10: R6.1 J13.2
NetJ14_1: J14.1 R6.2 SW2.C1 | length 908.1
  Bottom Layer w10: J14.1 R6.2 3360,285 3425,350 3425,783.65 3358.65,850 SW2.C1
NetJ14_2: J14.2 R5.2 SW2.B1 | length 605.3
  Bottom Layer w10: J14.2 R5.2 3309.91,385 3365,440.09 3365,703.84 3320.64,748.2 3280.8,748.2 SW2.B1
NetJ14_3: J14.3 R4.2 SW2.A1 | length 294
  Bottom Layer w10: J14.3 R4.2 SW2.A1
NetJ16_1: J16.1 MIDI.5 | length 367.7
  Bottom Layer w10: J16.1 3660,3076.85 MIDI.5
NetJ16_2: J16.2 MIDI.2 | length 426
  Bottom Layer w10: J16.2 MIDI.2
NetJ16_3: J16.3 MIDI.4 | length 367.7
  Bottom Layer w10: MIDI.4 3266.3,3076.85 J16.3
NetMIX_1: MIX.1 R17.2 R18.1 | length 318.2
  Bottom Layer w10: R18.1 R17.2 974.37,2295.63 MIX.1
NetMIX_3: MIX.3 R15.2 R16.1 | length 618.3
  Bottom Layer w10: R15.2 R16.1 910,2546 1036,2420 1192,2420 1302.43,2309.57 MIX.3
OUTPUT: C30.1 OUTPUT.T R22.2 | length 1752.2
  Bottom Layer w10: OUTPUT.T 115.51,2772.49 239,2649 239,2499.96 114,2374.96 114,1941 C30.1 R22.2
Vb: C3.+ IC1.10 IC1.12 MIX.2 R2.2 R3.2 R9.2 R14.2 | length 1652.8
  Bottom Layer w32: IC1.12 689.72,1410 752,1472.28 752,1610 ; IC1.10 752,1610 ; MIX.2 1202.01,2102.01 C3.+ R3.2 ; R9.2 R14.2 R3.2 ; 752,1610 752,1779.39 882.61,1910 R2.2 R3.2
Vr: C2.+ C16.1 IC1.4 R1.2 R2.1 | length 1009.9
  Bottom Layer w32: IC1.4 C16.1 ; R2.1 C16.1 ; R1.2 C2.+ 1421.62,1510 1314.62,1403 1080.64,1403 1010,1473.64 C16.1
pads on no net: EXPR.RN EXPR.SN EXPR.TN IC2.5 IC2.27 INPUT.R INPUT.RN INPUT.SN INPUT.TN MIDI. MIDI.1 MIDI.3 MIX. OUTPUT.R OUTPUT.RN OUTPUT.SN OUTPUT.TN P0. P1. P2. VOLUME.

## Polygon pours and split planes (outlines as drawn)
GND on Top Layer "GND_L01_P010" (solid, pour order 10): 0,0 3897.64,0 3897.64,3897.64 0,3897.64 0,3590
GND on Bottom Layer "GND_L02_P008" (solid, pour order 8): 0,0 3897.64,0 3897.64,3897.64 0,3897.64 0,3590

## Keep-outs
Keep-Out Layer:
  the board outline again, w10

## Silkscreen, mask and mechanical layers (free items; w line width, h text height)
Top Overlay:
  text "4 2 5" at 3365.12,2870 h40
  text "T R S" at 2505,2730 h40
  text "+5V" at 2700,2638.15 h40
  text "GND" at 2855,2637.39 h40
  text "1" at 3045,2582.66 h40
  text "2" at 3040,2482.47 h40
  text "3" at 3040,2382.47 h40
  text "1" at 3045,2024.51 h40
  text "+5V" at 2695,2008.15 h40
  text "GND" at 2855,2007.39 h40
  text "2" at 3040,1924.32 h40
  text "3" at 3040,1824.32 h40
  text "1" at 3045,1475.94 h40
  text "2" at 3040,1375.75 h40
  text "3" at 3040,1275.75 h40
  text "P2 P1 P0" at 1493.96,1236.61 h40
  text "S2 S1 S0" at 1820,1235.9 h40
  text "GND" at 2850,1171.89 h40
  text "+3.3V" at 2645,1170.28 h40
  text "PROG" at 3235,957.81 h40
  text "S0" at 3005,463.85 h40
  text "S1" at 3005,363.85 h40
  text "S2" at 3005,263.85 h40
Mechanical 3:
  the board outline again, w1